# KiCad board RP2040-Breadstick.kicad_pcb (continued)
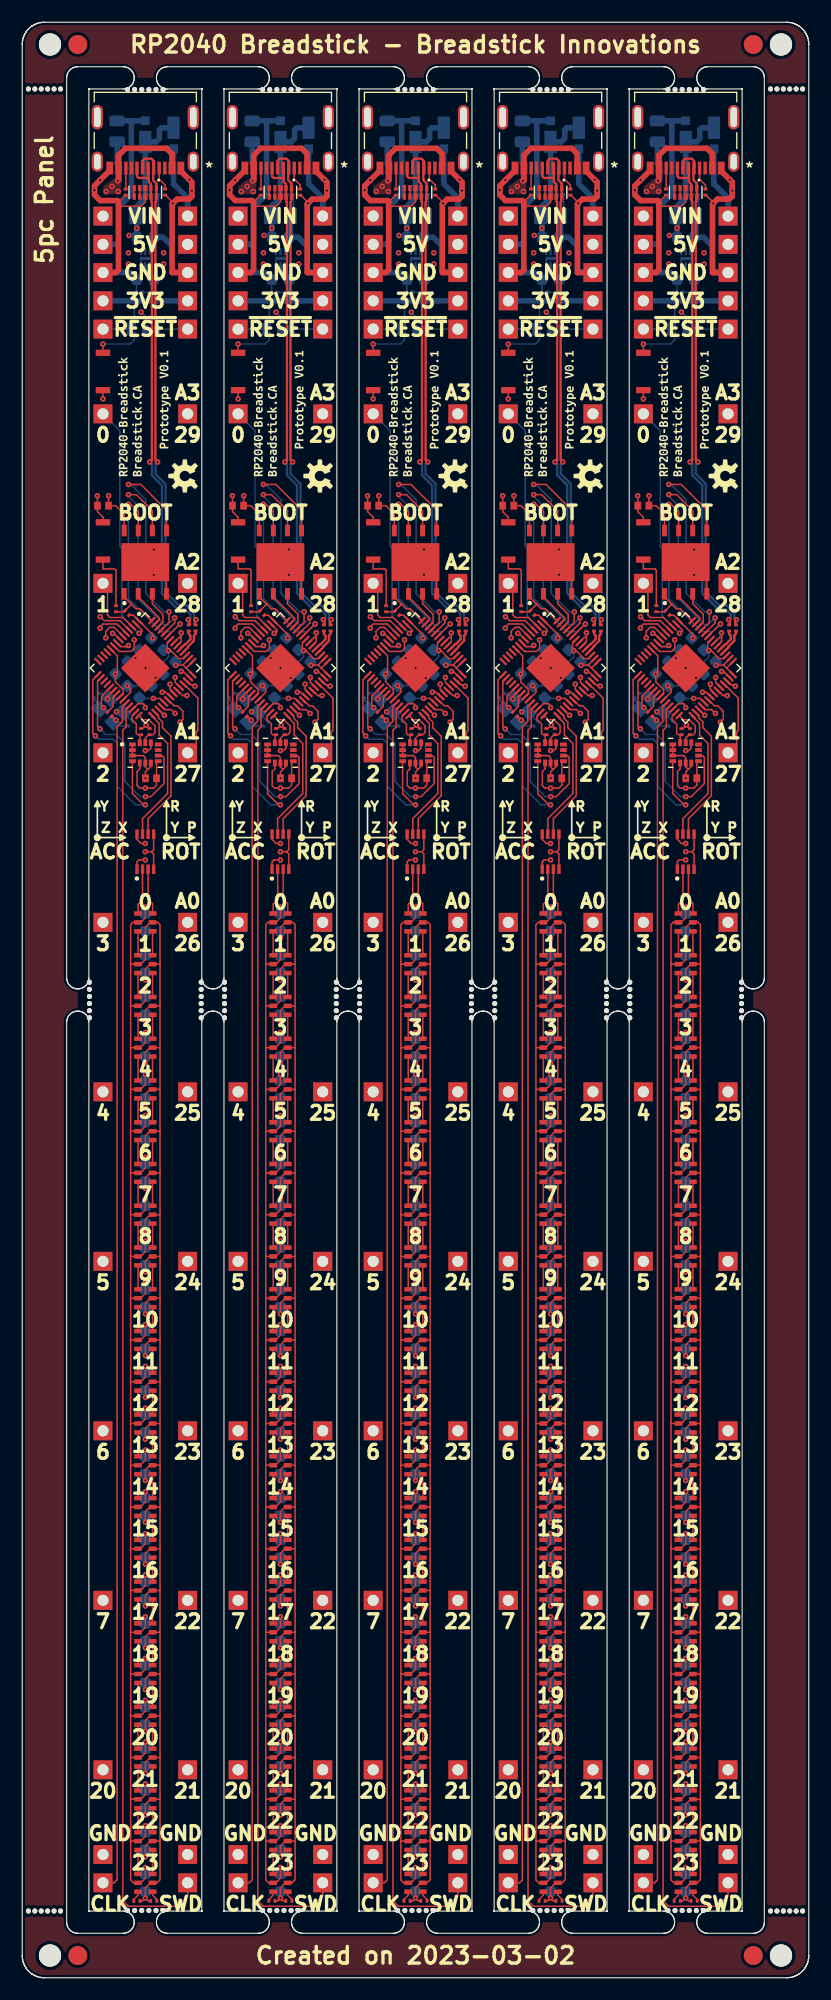
[diagram p0: board, top side]
## Routing (per net, layer and track width the routed paths; a pad name or vN(x,y) marks a point on that pad's centre or on a via; arc(x,y) is an arc through that point) (continued)
Board_2-GND: length 241.1
  L1_SIG.Cu w0.127: 35.96,101.25 36.15,101.44 IC301#2.5 ; 35.96,101.25 v1(35.4,101.25) ; 35.96,101.25 36.15,101.06 IC301#2.4 ; U202.3 U202.8 35.4,159.67 35.02,159.29 32.99,159.29 ; 36.72,12.3 36.71,12.29 LED323#2.2 35.85,12.29 35.4,11.84 v1(35.4,10.88) ; 36.72,12.3 36.72,8.82 36.44,8.54 LED324.2 35.85,8.54 35.4,8.08 v1(35.4,7.17) ; 36.72,12.3 36.72,16.06 ; v1(35.4,7.17) 35.15,6.91 R304#5.2 ; v1(35.4,7.17) 35.65,6.91 35.89,6.91 ; 36.72,38.61 36.72,34.8 ; 36.72,38.61 36.68,38.57 LED316#5.2 35.82,38.57 35.4,38.16 v1(35.4,37.19) ; 36.72,38.61 36.72,42.37 ; 36.72,34.8 36.72,31.1 ; 36.72,34.8 36.71,34.82 LED317#2.2 35.82,34.82 35.4,34.4 v1(35.4,33.43) ; 35.65,108.67 35.6,108.67 35.4,108.87 U401#4.6 35.4,109.71 35.22,109.89 U401#4.3 U401#4.2 U401#4.1 ; 35.65,108.67 35.41,108.42 v1(35.41,107.86) C401#4.2 ; 35.65,108.67 35.9,108.91 U401#4.7 ; 36.72,49.79 36.72,46.08 ; 36.72,49.79 36.72,53.6 ; 36.72,49.79 36.67,49.84 LED313#5.2 35.85,49.84 35.4,49.38 v1(35.4,48.42) ; 36.72,46.08 LED314#5.2 35.81,46.08 35.4,45.67 v1(35.4,44.71) ; 36.72,46.08 36.72,42.37 ; v1(37.88,159.55) 37.88,159.63 37.22,160.28 R207#5.2 ; 36.72,27.34 36.72,23.58 ; 36.72,27.34 36.72,31.1 ; 36.72,27.34 36.69,27.31 LED319#4.2 35.83,27.31 35.4,26.88 v1(35.4,25.91) ; 36.72,23.58 36.7,23.55 LED320.2 35.83,23.55 35.4,23.12 v1(35.4,22.15) ; 36.72,23.58 36.72,19.77 ; U203#4.4 37.3,127.29 v1(36.16,128.43) ; 36.72,16.06 36.71,16.04 LED322.2 35.84,16.04 35.4,15.6 v1(35.4,14.64) ; 36.72,16.06 36.72,19.77 ; v1(36.16,126.14) 36.16,126.52 U203#4.9 ; v1(35.4,89.72) 35.4,90.68 35.86,91.14 LED302#4.2 36.72,91.14 ; v1(35.4,78.49) 35.4,79.46 35.82,79.88 LED305#3.2 36.71,79.88 36.72,79.86 ; v1(35.4,59.7) 35.4,60.66 35.84,61.1 LED310#2.2 36.7,61.1 36.72,61.12 ; 36.72,53.6 36.71,53.59 LED312.2 35.85,53.59 35.4,53.14 v1(35.4,52.18) ; 36.72,53.6 36.72,57.36 ; 36.72,87.38 36.72,83.62 ; 36.72,87.38 36.72,91.14 ; 36.72,87.38 36.72,87.39 LED303#2.2 35.81,87.39 35.4,86.98 v1(35.4,86.01) ; 36.72,83.62 36.71,83.63 LED304.2 35.81,83.63 35.4,83.22 v1(35.4,82.25) ; 36.72,83.62 36.72,79.86 ; 36.72,91.14 36.72,94.7 36.52,94.9 LED301#4.2 35.85,94.9 35.4,94.44 v1(35.4,93.53) ; 36.72,76.1 36.7,76.12 LED306#2.2 35.82,76.12 35.4,75.7 v1(35.4,74.73) ; 36.72,76.1 36.72,79.86 ; 36.72,76.1 36.72,72.34 ; 36.72,64.83 36.72,61.12 ; 36.72,64.83 36.69,64.86 LED309#5.2 35.84,64.86 35.4,64.42 v1(35.4,63.45) ; 36.72,64.83 36.72,68.59 ; 36.72,61.12 36.72,57.36 ; 36.72,68.59 36.69,68.61 LED308#4.2 35.83,68.61 35.4,68.18 v1(35.4,67.21) ; 36.72,68.59 36.72,72.34 ; 36.72,19.77 36.69,19.8 LED321#2.2 35.84,19.8 35.4,19.36 v1(35.4,18.4) ; 36.72,31.1 36.69,31.06 LED318#5.2 35.83,31.06 35.4,30.64 v1(35.4,29.67) ; 36.72,42.37 36.68,42.33 LED315#2.2 35.81,42.33 35.4,41.92 v1(35.4,40.95) ; v1(31.64,114.2) 31.46,114.38 31.46,115.24 U201#2.19 ; v1(35.4,70.97) 35.4,71.94 35.83,72.37 LED307#2.2 36.7,72.37 36.72,72.34 ; 36.72,57.36 36.71,57.35 LED311#2.2 35.85,57.35 35.4,56.9 v1(35.4,55.94) ; R206#4.2 33.6,160.28 33,159.68 32.97,159.68 ; v1(31.08,133.25) 31.09,133.25 C216#3.2 31.09,131.82 31.59,131.32 SW201#2.1 ; SW202#2.1 v1(31.59,141.97)
  L1_SIG.Cu w0.5: J221#3.A1/B12 38.6,162.44 v1(39.36,161.68) 39.59,161.45 v1(39.59,160.69) 39.59,160.18 39.34,159.92 38.26,159.92 v1(37.88,159.55) 37.81,159.48 37.81,153.32 J506#5.1 ; J505.1 32.73,153.32 32.99,153.57 32.99,159.67 32.86,159.8 31.34,159.8 30.83,160.31 v1(30.83,160.74) 30.83,161.13 v1(31.33,161.63) 32.2,162.5 J221#3.B1/A12
  L3_SIG.Cu w0.5: J505.1 J506#5.1
  L8_SIG.Cu w0.127: v1(35.4,82.25) C306.2 ; v1(35.4,22.15) C322#5.2 ; v1(35.4,40.95) C317#5.2 ; U501#2.7 35.07,154.59 35,154.52 U501#2.3 ; v1(35.02,149.76) 35.41,149.38 C207#5.2 ; C309#4.2 35.4,71.58 v1(35.4,70.97) ; v1(35.4,86.01) C305#5.2 ; v1(35.4,18.4) C323#5.2 ; C201.2 30.81,114.88 31.29,114.41 ; v1(35.4,93.53) 35.4,94.13 ; C501#2.2 36.56,158.66 R501.1 ; v1(35.4,10.88) C325#5.2 ; v1(35.4,67.21) C310#2.2 ; v1(35.4,89.72) C304#4.2 ; v1(35.4,52.18) C314#5.2 ; v1(35.4,78.49) C307.2 ; C203.2 34.24,112.95 33.41,113.78 Y201#5.2 ; R502#5.1 34.62,152.68 C503#5.2 ; v1(35.4,74.73) 35.4,75.34 C308#2.2 ; v1(35.4,14.64) C324#2.2 ; v1(35.4,63.45) C311#5.2 ; v1(35.4,44.71) C316#3.2 ; v1(35.4,29.67) C320.2 ; v1(35.4,55.94) C313#3.2 ; v1(35.4,33.43) C319#3.2 ; v1(35.4,37.19) C318#3.2 ; v1(35.4,7.17) C326#3.2 ; v1(35.4,59.7) C312.2 ; v1(35.4,48.42) C315#5.2 ; v1(35.4,25.91) C321#3.2
  L8_SIG.Cu w0.203: C503#5.2 35,153.06 U501#2.3
  L8_SIG.Cu w0.5: C503#5.2 34.61,152.69 33.98,153.32 J505.1 ; C501#2.2 36.3,156.62 C502#3.2 37,156.5 37.81,155.68 37.81,153.62 38.12,153.32 J506#5.1
  vias: v1(32.8,113.83) v1(34.52,118.66) v1(35.41,117.77) v1(36.33,116.87)
Board_2-IMU_INT1: length 19.6
  L1_SIG.Cu w0.127: v1(35.4,105.47) 35.24,105.47 34.24,106.47 U401#4.4 ; v1(30.91,111.66) 30.67,111.9 30.67,116.71 U201#2.15
  L8_SIG.Cu w0.127: v1(30.91,111.66) 31.21,111.36 32.48,111.36 32.88,110.96 32.88,107.11 34.52,105.47 v1(35.4,105.47)
Board_2-IMU_INT2: length 18.5
  L1_SIG.Cu w0.127: U401#4.9 36.91,109.89 37.08,109.72 37.08,107.37 35.91,106.2 v1(35.41,106.2) ; U201#2.16 31.1,116.57 31.1,112.51 v1(31.31,112.3)
  L8_SIG.Cu w0.127: v1(35.41,106.2) 34.92,106.2 33.56,107.56 33.56,111.01 32.78,111.79 31.82,111.79 v1(31.31,112.3)
Board_2-IMU_SCL: length 3.9
  L1_SIG.Cu w0.127: U201#2.28 35.18,113.12 35.71,113.12 36.26,112.56 36.26,111.97 36.06,111.77 R210#3.1 35.71,111.77 35.4,111.46 U401#4.13
Board_2-IMU_SDA: length 3.4
  L1_SIG.Cu w0.127: U201#2.27 34.18,113.43 34.18,113.14 34.59,112.73 34.59,111.89 34.71,111.77 R209#3.1 34.91,111.66 34.91,111.06 U401#4.14
Board_2-LED_CLK: length 12.2
  L1_SIG.Cu w0.127: IC301#2.7 35.15,104.23 37.41,106.48 37.41,110.98 36.64,111.74 36.64,112.78 35.99,113.44 U201#2.29
Board_2-LED_DATA: length 12.4
  L1_SIG.Cu w0.127: IC301#2.6 35.65,104.22 37.71,106.28 37.71,111.64 36.95,112.4 36.95,112.91 36.59,113.26 36.59,113.45 U201#2.30
Board_2-Net-(C201-Pad1): length 2
  L1_SIG.Cu w0.127: U201#2.20 32,115.2 v1(32,114.99)
  L8_SIG.Cu w0.127: v1(32,114.99) 31.5,115.49 C201.1
Board_2-Net-(C203-Pad1): length 2.1
  L1_SIG.Cu w0.127: R201.1 32.71,113.08 v1(32.77,113.08)
  L8_SIG.Cu w0.127: C203.1 32.77,112.56 Y201#5.3
Board_2-Net-(J221-PadA5): length 2.1
  L1_SIG.Cu w0.127: R207#5.1 37.18,161.19 36.65,161.72 J221#3.A5
Board_2-Net-(J221-PadB5): length 1.9
  L1_SIG.Cu w0.127: J221#3.B5 33.65,160.86 R206#4.1
Board_2-Net-(LED301-Pad1): length 2.2
  L1_SIG.Cu w0.127: LED301#4.1 LED302#4.3
Board_2-Net-(LED301-Pad6): length 2.2
  L1_SIG.Cu w0.127: LED301#4.6 LED302#4.4
Board_2-Net-(LED302-Pad1): length 2.2
  L1_SIG.Cu w0.127: LED302#4.1 LED303#2.3
Board_2-Net-(LED302-Pad6): length 2.2
  L1_SIG.Cu w0.127: LED302#4.6 LED303#2.4
Board_2-Net-(LED303-Pad1): length 2.2
  L1_SIG.Cu w0.127: LED303#2.1 LED304.3
Board_2-Net-(LED303-Pad6): length 2.2
  L1_SIG.Cu w0.127: LED303#2.6 LED304.4
Board_2-Net-(LED304-Pad1): length 2.2
  L1_SIG.Cu w0.127: LED304.1 LED305#3.3
Board_2-Net-(LED304-Pad6): length 2.2
  L1_SIG.Cu w0.127: LED304.6 LED305#3.4
Board_2-Net-(LED305-Pad1): length 2.2
  L1_SIG.Cu w0.127: LED305#3.1 LED306#2.3
Board_2-Net-(LED305-Pad6): length 2.2
  L1_SIG.Cu w0.127: LED305#3.6 LED306#2.4
Board_2-Net-(LED306-Pad1): length 2.2
  L1_SIG.Cu w0.127: LED306#2.1 LED307#2.3
Board_2-Net-(LED306-Pad6): length 2.2
  L1_SIG.Cu w0.127: LED306#2.6 LED307#2.4
Board_2-Net-(LED307-Pad1): length 2.2
  L1_SIG.Cu w0.127: LED307#2.1 LED308#4.3
Board_2-Net-(LED307-Pad6): length 2.2
  L1_SIG.Cu w0.127: LED307#2.6 LED308#4.4
Board_2-Net-(LED308-Pad1): length 2.2
  L1_SIG.Cu w0.127: LED308#4.1 LED309#5.3
Board_2-Net-(LED308-Pad6): length 2.2
  L1_SIG.Cu w0.127: LED308#4.6 LED309#5.4
Board_2-Net-(LED309-Pad1): length 2.2
  L1_SIG.Cu w0.127: LED309#5.1 LED310#2.3
Board_2-Net-(LED309-Pad6): length 2.2
  L1_SIG.Cu w0.127: LED309#5.6 LED310#2.4
Board_2-Net-(LED310-Pad1): length 2.2
  L1_SIG.Cu w0.127: LED310#2.1 LED311#2.3
Board_2-Net-(LED310-Pad6): length 2.2
  L1_SIG.Cu w0.127: LED310#2.6 LED311#2.4
Board_2-Net-(LED311-Pad1): length 2.2
  L1_SIG.Cu w0.127: LED311#2.1 LED312.3
Board_2-Net-(LED311-Pad6): length 2.2
  L1_SIG.Cu w0.127: LED311#2.6 LED312.4
Board_2-Net-(LED312-Pad1): length 2.2
  L1_SIG.Cu w0.127: LED312.1 LED313#5.3
Board_2-Net-(LED312-Pad6): length 2.2
  L1_SIG.Cu w0.127: LED312.6 LED313#5.4
Board_2-Net-(LED313-Pad1): length 2.2
  L1_SIG.Cu w0.127: LED313#5.1 LED314#5.3
Board_2-Net-(LED313-Pad6): length 2.2
  L1_SIG.Cu w0.127: LED313#5.6 LED314#5.4
Board_2-Net-(LED314-Pad1): length 2.2
  L1_SIG.Cu w0.127: LED314#5.1 LED315#2.3
Board_2-Net-(LED314-Pad6): length 2.2
  L1_SIG.Cu w0.127: LED314#5.6 LED315#2.4
Board_2-Net-(LED315-Pad1): length 2.2
  L1_SIG.Cu w0.127: LED315#2.1 LED316#5.3
Board_2-Net-(LED315-Pad6): length 2.2
  L1_SIG.Cu w0.127: LED315#2.6 LED316#5.4
Board_2-Net-(LED316-Pad1): length 2.2
  L1_SIG.Cu w0.127: LED316#5.1 LED317#2.3
Board_2-Net-(LED316-Pad6): length 2.2
  L1_SIG.Cu w0.127: LED316#5.6 LED317#2.4
Board_2-Net-(LED317-Pad1): length 2.2
  L1_SIG.Cu w0.127: LED317#2.1 LED318#5.3
Board_2-Net-(LED317-Pad6): length 2.2
  L1_SIG.Cu w0.127: LED317#2.6 LED318#5.4
Board_2-Net-(LED318-Pad1): length 2.2
  L1_SIG.Cu w0.127: LED318#5.1 LED319#4.3
Board_2-Net-(LED318-Pad6): length 2.2
  L1_SIG.Cu w0.127: LED318#5.6 LED319#4.4
Board_2-Net-(LED319-Pad1): length 2.2
  L1_SIG.Cu w0.127: LED319#4.1 LED320.3
Board_2-Net-(LED319-Pad6): length 2.2
  L1_SIG.Cu w0.127: LED319#4.6 LED320.4
Board_2-Net-(LED320-Pad1): length 2.2
  L1_SIG.Cu w0.127: LED320.1 LED321#2.3
Board_2-Net-(LED320-Pad6): length 2.2
  L1_SIG.Cu w0.127: LED320.6 LED321#2.4
Board_2-Net-(LED321-Pad1): length 2.2
  L1_SIG.Cu w0.127: LED321#2.1 LED322.3
Board_2-Net-(LED321-Pad6): length 2.2
  L1_SIG.Cu w0.127: LED321#2.6 LED322.4
Board_2-Net-(LED322-Pad1): length 2.2
  L1_SIG.Cu w0.127: LED322.1 LED323#2.3
Board_2-Net-(LED322-Pad6): length 2.2
  L1_SIG.Cu w0.127: LED322.6 LED323#2.4
Board_2-Net-(LED323-Pad1): length 2.2
  L1_SIG.Cu w0.127: LED323#2.1 LED324.3
Board_2-Net-(LED323-Pad6): length 2.2
  L1_SIG.Cu w0.127: LED323#2.6 LED324.4
Board_2-Net-(LED324-Pad1): length 1
  L1_SIG.Cu w0.127: R305.1 36.44,7.05 36.05,7.43 LED324.1
Board_2-Net-(LED324-Pad6): length 1
  L1_SIG.Cu w0.127: LED324.6 34.75,7.43 34.36,7.05 34.36,6.91
Board_2-Net-(R201-Pad2): length 2
  L1_SIG.Cu w0.127: U201#2.21 32.5,115.15 32.5,114.32 R201.2
Board_2-Net-(R204-Pad1): length 5.2
  L1_SIG.Cu w0.127: R204#3.1 32.76,126.55 32.63,126.68 31.59,126.68 SW201#2.2
Board_2-Net-(R211-Pad1): length 4.3
  L1_SIG.Cu w0.127: SW202#2.2 v1(31.59,146.89)
  L8_SIG.Cu w0.127: R211#3.1 34.41,147.27 34.03,146.89 v1(31.59,146.89)
Board_2-Net-(U202-Pad4): length 0.8
  L1_SIG.Cu w0.127: U202.4 U202.7
Board_2-Net-(U202-Pad5): length 0.8
  L1_SIG.Cu w0.127: U202.5 U202.6
Board_2-SWCLK: length 107.5
  L1_SIG.Cu w0.127: U201#2.24 33.34,114.29 33.34,112.95 32.86,112.46 32.86,8.79 32.61,8.54 J223#5.1
Board_2-SWD: length 115.3
  L1_SIG.Cu w0.127: J224#3.1 39.21,7.37 38.27,6.43 33.85,6.43 33.37,6.91 33.37,112.17 33.66,112.46 33.66,114.04 U201#2.25
Board_2-VBUS: length 12.5
  L1_SIG.Cu w0.5: J221#3.A4/B9 37.8,164 37.3,164.5 33.62,164.5 33,163.87 J221#3.B4/A9 33,161.66 v1(32.91,161.58)
  L8_SIG.Cu w0.5: v1(32.91,161.58) 32.99,161.65 32.99,163 32.86,163.12 F501#4.1
  vias: v1(31.87,160.61) v1(32.4,161.07) v1(32.96,160.61)
Board_2-VHI: length 174.3
  L1_SIG.Cu w0.127: 34.08,23.53 34.11,23.55 LED320.5 34.97,23.55 35.4,23.98 v1(35.4,24.95) ; 34.08,23.53 34.08,27.34 ; 34.08,23.53 34.08,19.77 ; v1(35.4,39.93) 35.4,39.02 34.95,38.57 LED316#5.5 34.12,38.57 34.08,38.61 ; v1(35.4,84.99) 35.4,84.08 34.95,83.63 LED304.5 34.09,83.63 34.08,83.62 ; 34.08,79.86 34.09,79.88 LED305#3.5 34.96,79.88 35.4,80.32 v1(35.4,81.23) ; 34.08,79.86 34.08,83.62 ; 34.08,79.86 34.08,76.1 ; 34.08,31.1 34.08,27.34 ; 34.08,31.1 34.11,31.06 LED318#5.5 34.96,31.06 35.4,31.5 v1(35.4,32.47) ; 34.08,31.1 34.08,34.8 ; 34.08,27.34 34.11,27.31 LED319#4.5 34.97,27.31 35.4,27.74 v1(35.4,28.71) ; v1(35.4,43.69) 35.4,42.78 34.95,42.33 LED315#2.5 34.12,42.33 34.08,42.37 ; 34.08,19.77 34.08,16.06 ; 34.08,19.77 34.11,19.8 LED321#2.5 34.98,19.8 35.4,20.22 v1(35.4,21.19) ; 34.08,16.06 34.09,16.04 LED322.5 34.98,16.04 35.4,16.46 v1(35.4,17.43) ; 34.08,16.06 34.08,12.3 ; 34.08,38.61 34.08,42.37 ; 34.08,38.61 34.08,34.8 ; 34.08,83.62 34.08,87.38 ; v1(35.4,62.49) 35.4,61.52 34.98,61.1 LED310#2.5 34.11,61.1 34.08,61.07 ; 34.08,91.14 34.08,87.38 ; 34.08,91.14 34.08,94.7 34.28,94.9 LED301#4.5 34.99,94.9 35.4,95.31 v1(35.4,96.27) ; 34.08,91.14 LED302#4.5 34.99,91.14 35.4,91.55 v1(35.4,92.51) ; 34.08,87.38 34.08,87.39 LED303#2.5 34.95,87.39 35.4,87.84 v1(35.4,88.75) ; 34.08,61.07 34.08,57.36 ; 34.08,61.07 34.08,64.88 ; 34.08,57.36 34.08,53.55 ; 34.08,57.36 34.09,57.35 LED311#2.5 34.98,57.35 35.4,57.77 v1(35.4,58.73) ; 34.08,68.64 34.1,68.61 LED308#4.5 34.97,68.61 35.4,69.04 v1(35.4,70.01) ; 34.08,68.64 34.08,72.34 ; 34.08,68.64 34.08,64.88 ; 34.08,12.3 34.08,8.79 34.34,8.54 LED324.5 34.99,8.54 35.4,8.95 v1(35.4,9.91) ; 34.08,12.3 34.09,12.29 LED323#2.5 34.98,12.29 35.4,12.71 v1(35.4,13.67) ; v1(35.4,100.51) 34.82,100.51 34.65,100.35 IC301#2.1 ; 34.08,53.55 34.12,53.59 LED312.5 34.99,53.59 35.4,54.01 v1(35.4,54.97) ; 34.08,53.55 34.08,49.84 ; 34.08,42.37 34.08,46.08 ; v1(35.4,66.25) 35.4,65.28 34.97,64.86 LED309#5.5 34.1,64.86 34.08,64.88 ; 34.08,46.08 LED314#5.5 34.94,46.08 35.4,46.54 v1(35.4,47.45) ; 34.08,46.08 34.08,49.84 ; v1(35.4,73.77) 35.4,72.8 34.96,72.37 LED307#2.5 34.1,72.37 34.08,72.34 ; 34.08,72.34 34.08,76.1 ; v1(35.4,77.53) 35.4,76.56 34.96,76.12 LED306#2.5 34.1,76.12 34.08,76.1 ; 34.08,49.84 34.08,49.84 LED313#5.5 34.99,49.84 35.4,50.25 v1(35.4,51.21) ; 34.08,34.8 34.09,34.82 LED317#2.5 34.96,34.82 35.4,35.26 v1(35.4,36.23)
  L8_SIG.Cu w0.127: v1(35.4,28.71) C321#3.1 ; v1(35.4,77.53) 35.4,76.92 C308#2.1 ; v1(35.4,88.75) C305#5.1 ; v1(35.4,54.97) C314#5.1 ; v1(35.4,9.91) C326#3.1 ; v1(35.4,70.01) C310#2.1 ; C309#4.1 35.4,73.16 v1(35.4,73.77) ; v1(35.4,32.47) C320.1 ; v1(35.4,62.49) C312.1 ; v1(35.4,58.73) C313#3.1 ; v1(35.4,96.27) C303#4.1 ; v1(35.4,84.99) C306.1 ; v1(35.4,17.43) C324#2.1 ; v1(35.4,21.19) C323#5.1 ; v1(35.4,51.21) C315#5.1 ; R501.2 35.53,160.31 35.4,160.43 ; v1(35.4,13.67) C325#5.1 ; v1(35.4,66.25) C311#5.1 ; v1(35.4,36.23) C319#3.1 ; v1(35.4,47.45) C316#3.1 ; v1(35.4,81.23) C307.1 ; v1(35.4,39.93) C318#3.1 ; v1(35.4,92.51) C304#4.1 ; v1(35.4,24.95) C322#5.1 ; v1(35.4,43.69) C317#5.1
  L8_SIG.Cu w0.5: D501#2.1 36.86,166.34 36.67,166.15 36.67,165.39 36.36,165.07 D502#4.1 35.4,160.05 34.5,159.15 C501#2.1 34.62,158.28 v1(34.62,157.31) C502#3.1
  vias: v1(33.93,156.66) v1(33.88,155.1) v1(33.88,154.08) v1(37.05,155.1) v1(37.05,154.08)
Board_2-VIN: length 14.2
  L3_SIG.Cu w0.5: J502#5.1 J501#5.1
  L8_SIG.Cu w0.5: J501#5.1 39.21,160.03 37.94,161.3 D501#2.2
Board_3-3V3_LDO: length 53.3
  L1_SIG.Cu w0.127: U401#3.8 48.57,109.24 C401.1 48.57,107.24 48.3,106.97 v1(47.56,106.97) 47.05,106.97 46.82,107.19 46.82,108.46 47.06,108.7 U401#3.5 ; 50.79,120.53 50.61,120.53 U201.49 ; 50.79,120.53 50.79,120.14 U201.48 ; 50.79,120.53 v1(50.79,120.94) ; U401#3.12 48.06,110.56 47.84,110.34 v1(47.56,110.34) ; R205#2.1 46.48,122.52 U201.1 48.22,120.78 v1(48.22,120.45) ; 51.24,117.76 50.98,118.01 50.93,118.01 ; 51.24,117.76 51.24,117.76 U201.43 ; 51.24,117.76 U201.42 ; U203#3.8 45.66,131.6 44.89,132.37 C216#2.1 44.25,133.25 v1(44.26,133.25) ; U201.10 45.05,118.86 45.05,117.4 v1(44.87,117.23) 44.87,116.52 45.57,115.82 45.57,115.49 U201.22 ; R210#2.2 47.94,112.33 v1(47.63,112.64) 47.31,112.32 R209#4.2 ; v1(47.56,101.99) 47.18,101.99 46.81,102.36 IC301.8 ; v1(48.28,115.03) 48.88,115.03 U201.33 ; 50.93,118.01 U201.44 ; 50.93,118.01 v1(50.3,118.01)
  L3_SIG.Cu w0.5: J508#4.1 J507.1
  L8_SIG.Cu w0.127: v1(44.87,117.23) 44.88,117.24 C210.1 ; v1(48.28,115.03) 47.08,115.03 C206#5.1 ; 46.54,150.78 46.56,150.76 R208#4.1 ; C211#3.1 50.3,118.28 v1(50.3,118.01) ; R502#2.2 48.32,151.54
  L8_SIG.Cu w0.15: 47.96,153.33 48.33,152.95 C503.1
  L8_SIG.Cu w0.203: U501.2 47.56,153.47 47.71,153.33 47.96,153.33 U501.1
  L8_SIG.Cu w0.5: 48.22,150.78 J507.1 ; 48.22,150.78 J508#4.1 ; 48.22,150.78 48.35,150.91 48.35,152.67
Board_3-+1V1: length 10.2
  L1_SIG.Cu w0.127: U201.23 46.24,115.59 46.24,115.88 v1(45.94,116.18) ; U201.45 50.96,118.61 50.57,118.61 49.85,119.33 v1(49.64,119.33) 49.54,119.44 49.54,120.02 U201.50
  L8_SIG.Cu w0.127: v1(49.64,119.33) 49.64,118.76 47.06,116.18 v1(45.94,116.18)
Board_3-/Addressable RGB LEDs/CLK: length 4.1
  L1_SIG.Cu w0.127: IC301.2 47.31,96.94 46.91,96.54 LED301.4
Board_3-/Addressable RGB LEDs/DATA: length 4.1
  L1_SIG.Cu w0.127: IC301.3 47.81,96.99 48.21,96.59 LED301.3
Board_3-/RP2040/ADC0: length 26.2
  L1_SIG.Cu w0.127: U201.38 50.25,116.48 v1(50.25,116.92)
  L3_SIG.Cu w0.127: J220#2.1 51.37,107.85 50.25,108.97 50.25,111.27 51.84,111.27 52.28,111.71 52.28,115.02 50.38,116.92 v1(50.25,116.92)
Board_3-/RP2040/ADC1: length 7.1
  L1_SIG.Cu w0.127: J219.1 52.15,110.92 52.15,112.01 52.28,112.15 52.28,115.07 51.03,116.32 U201.39
Board_3-/RP2040/ADC2: length 12.9
  L1_SIG.Cu w0.127: U201.40 51.32,116.6 51.67,116.25 51.78,116.25 51.9,116.13 v1(52.03,116.13)
  L3_SIG.Cu w0.127: v1(52.03,116.13) 52.03,118.91 49.16,121.78 49.16,124.11 50.43,125.38 J218#3.1
Board_3-/RP2040/ADC3: length 26.9
  L1_SIG.Cu w0.127: U201.41 50.98,117.46 v1(50.79,117.46)
  L3_SIG.Cu w0.127: v1(50.79,117.46) 51.14,117.81 51.14,118.62 48.14,121.62 48.14,124.45 49.67,125.98 49.67,128.07 51.37,129.77 J217.1
Board_3-/RP2040/D0: length 22.3
  L1_SIG.Cu w0.127: v1(47,120.88) 47.08,120.88 47.26,121.06 47.26,121.18 U201.2
  L8_SIG.Cu w0.127: v1(47,120.88) 45.45,122.43 45.45,128.53 45.27,128.71 45.27,139.1 J205#5.1
Board_3-/RP2040/D1: length 5.7
  L1_SIG.Cu w0.127: J206#4.1 44.16,124.97 44.16,122.54 44.38,122.31 45.56,122.31 U201.3
Board_3-/RP2040/D2: length 16.5
  L1_SIG.Cu w0.127: U201.4 45.27,122.03 43.85,122.03 v1(43.5,122.38)
  L3_SIG.Cu w0.127: v1(43.5,122.38) 42.86,121.74 42.86,113.26 43.19,112.93 43.62,112.93 44.02,112.53 44.02,111.43 43.75,111.16 J207#5.1
Board_3-/RP2040/D3: length 30.6
  L1_SIG.Cu w0.127: v1(43.49,121.35) 43.49,121.46 43.75,121.72 45.01,121.72 U201.5
  L3_SIG.Cu w0.127: v1(43.49,121.35) 43.47,121.33 43.47,114.94 43.29,114.76 43.29,114.03 44.88,112.44 44.88,108.93 43.75,107.8 J208#5.1
Board_3-/RP2040/D4: length 44.8
  L1_SIG.Cu w0.127: U201.6 44.75,121.42 44.36,121.42 44,121.06 v1(44,120.48)
  L3_SIG.Cu w0.127: J209.1 43.75,92.33 44.88,93.46 44.88,108.2 45.34,108.66 45.34,112.5 45.5,112.66 45.5,114.39 44,115.89 v1(44,120.48)
Board_3-/RP2040/D5: length 59
  L1_SIG.Cu w0.127: v1(44.61,120.88) 44.72,120.88 U201.7
  L3_SIG.Cu w0.127: v1(44.61,120.88) 44.61,117.89 44.36,117.63 44.36,116.98 45.87,115.47 45.87,112.25 45.8,112.18 45.8,108.31 45.47,107.98 45.47,92.85 44.89,92.27 44.89,78.22 43.75,77.08 J210#4.1
Board_3-/RP2040/D6: length 73.9
  L1_SIG.Cu w0.127: v1(46.04,119.79) 45.93,119.69 45.35,119.69 U201.8
  L3_SIG.Cu w0.127: v1(46.04,119.79) 45.68,119.79 45.4,119.51 45.4,117.72 46.46,116.66 46.46,114.03 46.27,113.84 46.27,112.07 46.21,112.01 46.21,108.08 46.06,107.93 46.06,92.21 45.54,91.69 45.54,63.31 43.75,61.52 J211#5.1
Board_3-/RP2040/D7: length 91.4
  L1_SIG.Cu w0.127: v1(46.57,120.3) 46.57,119.54 46.29,119.26 45.21,119.26 U201.9
  L3_SIG.Cu w0.127: v1(46.57,120.3) 46.57,119.33 46.17,118.93 46.17,118.17 47.23,117.11 47.23,114.79 46.89,114.45 46.89,113.42 46.66,113.19 46.66,107.8 46.54,107.68 46.54,91.44 46.3,91.2 46.3,62.09 45.08,60.87 45.08,44.1 43.75,42.77 J212#4.1
Board_3-/RP2040/D20: length 98.8
  L1_SIG.Cu w0.127: v1(49.27,113.52) 49.25,113.52 U201.31
  L3_SIG.Cu w0.127: v1(49.27,113.52) 47.75,113.52 47.07,112.84 47.07,61.15 46.33,60.41 46.33,32.49 43.75,29.91 J204#3.1
Board_3-/RP2040/D21: length 99.2
  L1_SIG.Cu w0.127: U201.32 49.31,114.03 49.9,114.03 50.23,113.69 v1(50.24,113.69)
  L3_SIG.Cu w0.127: v1(50.24,113.69) 50.04,113.49 50.04,113.17 49.87,113 49.07,113 48.07,112 48.07,61.15 48.82,60.4 48.82,32.39 51.37,29.84 J203#3.1
Board_3-/RP2040/D22: length 84.5
  L1_SIG.Cu w0.127: v1(50.68,112.89) 50.94,113.15 50.94,113.88 50.45,114.37 50.15,114.37 49.61,114.91 U201.34
  L3_SIG.Cu w0.127: v1(50.68,112.89) 50.4,112.61 49.33,112.61 48.54,111.82 48.54,107.82 48.62,107.74 48.62,91.48 48.85,91.25 48.85,62.28 50.07,61.06 50.07,44.18 51.31,42.94 51.31,34 J213#3.1
Board_3-/RP2040/D23: length 71.1
  L1_SIG.Cu w0.127: U201.35 49.79,115.19 49.39,115.59 v1(49.08,115.59)
  L3_SIG.Cu w0.127: v1(49.08,115.59) 49.4,115.59 51.2,113.79 51.2,112.48 50.96,112.24 49.54,112.24 49,111.7 49,108.08 49.14,107.94 49.14,92.01 49.59,91.56 49.59,63.31 51.37,61.53 J214#2.1
Board_3-/RP2040/D24: length 56.2
  L1_SIG.Cu w0.127: U201.36 50.13,115.52 49.78,115.87 v1(49.78,116.31)
  L3_SIG.Cu w0.127: v1(49.78,116.31) 49.78,115.87 51.57,114.08 51.57,112.19 51.29,111.92 49.74,111.92 49.42,111.6 49.42,108.31 49.68,108.05 49.68,92.71 50.24,92.15 50.24,78.12 51.37,76.99 J215#4.1
Board_3-/RP2040/D25: length 39.4
  L1_SIG.Cu w0.127: v1(51.3,115.29) 50.93,115.29 50.46,115.76 U201.37
  L3_SIG.Cu w0.127: v1(51.3,115.29) 51.92,114.67 51.92,111.95 51.6,111.63 50.02,111.63 49.83,111.44 49.83,108.69 50.25,108.27 50.25,93.35 51.37,92.23 J202.1
Board_3-/RP2040/MCU_QSPI_CSN: length 5.4
  L1_SIG.Cu w0.127: 46.28,123.54 46.72,123.09 47.08,123.09 U201.56 ; 46.28,123.54 46.28,123.47 R205#2.2 45.63,122.82 R204#2.2 ; 46.28,123.54 45.66,124.16 U203#3.1
Board_3-/RP2040/MCU_QSPI_SCLK: length 20.6
  L1_SIG.Cu w0.127: v1(50.2,122.28) 50.2,121.82 U201.52 ; U203#3.6 48.19,131.91 46.75,133.36 v1(46.04,133.36)
  L8_SIG.Cu w0.127: v1(50.2,122.28) 49.54,121.62 49.29,121.62 46.9,124.01 46.9,132.34 46.04,133.2 v1(46.04,133.36)
Board_3-/RP2040/MCU_QSPI_SD0: length 21.5
  L1_SIG.Cu w0.127: U203#3.5 49.47,131.96 47.15,134.27 v1(46.04,134.27) ; v1(49.69,122.81) 49.69,121.87 U201.53
  L8_SIG.Cu w0.127: v1(46.04,134.27) 46.24,134.27 47.61,132.9 47.61,124.47 49.26,122.81 v1(49.69,122.81)
Board_3-/RP2040/MCU_QSPI_SD1: length 3.6
  L1_SIG.Cu w0.127: U201.55 48.83,122.14 48.83,122.26 46.92,124.16 U203#3.2
Board_3-/RP2040/MCU_QSPI_SD2: length 3.5
  L1_SIG.Cu w0.127: U203#3.3 48.19,123.55 49.14,122.6 49.14,121.89 U201.54
Board_3-/RP2040/MCU_QSPI_SD3: length 19.1
  L1_SIG.Cu w0.127: v1(46.04,132.49) 46.24,132.49 46.92,131.81 U203#3.7 ; v1(50.68,121.72) 50.67,121.72 U201.51
  L8_SIG.Cu w0.127: v1(50.68,121.72) 50,121.04 49.01,121.04 46.04,124.01 v1(46.04,132.49)
Board_3-/RP2040/MCU_USB_D+: length 2.1
  L1_SIG.Cu w0.2: U201.47 51.12,119.91 51.18,119.91
  L1_SIG.Cu w0.203: 51.18,119.91 51.62,120.35 51.62,120.68 51.47,120.83 R203#2.1
Board_3-/RP2040/MCU_USB_D-: length 2.3
  L1_SIG.Cu w0.2: U201.46 51.41,119.63 51.41,119.68
  L1_SIG.Cu w0.203: 51.41,119.68 51.94,120.21 51.94,120.68 52.08,120.83 R202#5.1
Board_3-/RP2040/USB_D+: length 45.2
  L1_SIG.Cu w0.203: 47.86,161.77 47.8,161.83 46.96,161.83 46.81,161.98 J221#4.B6 ; 47.86,161.77 47.86,162.67 J221#4.A6 ; 47.86,161.77 47.86,161.49 48.06,161.29 U202#3.2 U202#3.9 48.1,160.11 48.1,159.7 48.15,159.64 48.15,136.48 v1(47.96,136.29) ; R203#2.2 51.54,121.71 51.54,122 v1(51.43,122.12)
  L8_SIG.Cu w0.203: v1(51.43,122.12) 51.62,122.31 51.62,122.6 51.16,123.05 50.47,123.05 49.05,124.47 49.05,134.19 48.15,135.09 48.15,136.1 v1(47.96,136.29)
Board_3-/RP2040/USB_D-: length 45.9
  L1_SIG.Cu w0.203: v1(52.13,122.12) 52.01,122 52.01,121.71 R202#5.2 ; J221#4.A7 47.31,163.38 47.49,163.56 48.11,163.56 48.31,163.36 J221#4.B7 48.26,162.67 48.26,161.63 48.56,161.33 U202#3.1 U202#3.10 48.52,160.11 48.52,159.7 48.47,159.64 48.47,136.48 v1(48.66,136.29)
  L8_SIG.Cu w0.203: v1(52.13,122.12) 51.94,122.31 51.94,122.73 51.3,123.37 50.61,123.37 49.37,124.61 49.37,134.33 48.47,135.23 48.47,136.1 v1(48.66,136.29)
Board_3-/RP2040/~{RESET}: length 49.9
  L1_SIG.Cu w0.127: U201.26 46.91,114.56 47.38,114.56 47.56,114.38 v1(47.56,114.2)
  L3_SIG.Cu w0.127: 46.92,148.24 46.92,121.77 47.61,121.09 47.61,118.52 48.19,117.94 48.19,117.49 47.79,117.09 47.79,114.43 v1(47.56,114.2)
  L3_SIG.Cu w0.5: J201.1 J222#5.1
  L8_SIG.Cu w0.127: C207#3.1 J201.1 ; 46.02,148.22 45.99,148.24 J222#5.1 ; 46.02,148.22 46.02,147.86 ; 46.02,148.22 46.02,148.62
Board_3-GND: length 241.1
  L1_SIG.Cu w0.127: 48.12,101.25 48.31,101.44 IC301.5 ; 48.12,101.25 v1(47.56,101.25) ; 48.12,101.25 48.31,101.06 IC301.4 ; U202#3.3 U202#3.8 47.56,159.67 47.18,159.29 45.15,159.29 ; 48.88,12.3 48.87,12.29 LED323#3.2 48.01,12.29 47.56,11.84 v1(47.56,10.88) ; 48.88,12.3 48.88,8.82 48.6,8.54 LED324#2.2 48.01,8.54 47.56,8.08 v1(47.56,7.17) ; 48.88,12.3 48.88,16.06 ; v1(47.56,7.17) 47.31,6.91 47.07,6.91 ; v1(47.56,7.17) 47.81,6.91 R305#4.2 ; 48.88,38.61 48.88,34.8 ; 48.88,38.61 48.84,38.57 LED316#4.2 47.98,38.57 47.56,38.16 v1(47.56,37.19) ; 48.88,38.61 48.88,42.37 ; 48.88,34.8 48.88,31.1 ; 48.88,34.8 48.87,34.82 LED317.2 47.98,34.82 47.56,34.4 v1(47.56,33.43) ; 47.81,108.67 47.76,108.67 47.56,108.87 U401#3.6 47.56,109.71 47.38,109.89 U401#3.3 U401#3.2 U401#3.1 ; 47.81,108.67 47.57,108.42 v1(47.57,107.86) C401.2 ; 47.81,108.67 48.06,108.91 U401#3.7 ; 48.88,49.79 48.88,46.08 ; 48.88,49.79 48.88,53.6 ; 48.88,49.79 48.83,49.84 LED313#2.2 48.01,49.84 47.56,49.38 v1(47.56,48.42) ; 48.88,46.08 LED314#2.2 47.97,46.08 47.56,45.67 v1(47.56,44.71) ; 48.88,46.08 48.88,42.37 ; v1(50.04,159.55) 50.04,159.63 49.38,160.28 R207#2.2 ; 48.88,27.34 48.88,23.58 ; 48.88,27.34 48.88,31.1 ; 48.88,27.34 48.85,27.31 LED319#2.2 47.99,27.31 47.56,26.88 v1(47.56,25.91) ; 48.88,23.58 48.86,23.55 LED320#4.2 47.99,23.55 47.56,23.12 v1(47.56,22.15) ; 48.88,23.58 48.88,19.77 ; U203#3.4 49.47,127.29 v1(48.32,128.43) ; 48.88,16.06 48.87,16.04 LED322#2.2 48,16.04 47.56,15.6 v1(47.56,14.64) ; 48.88,16.06 48.88,19.77 ; v1(48.32,126.14) 48.32,126.52 U203#3.9 ; v1(47.56,89.72) 47.56,90.68 48.02,91.14 LED302#2.2 48.88,91.14 ; v1(47.56,78.49) 47.56,79.46 47.98,79.88 LED305#2.2 48.87,79.88 48.88,79.86 ; v1(47.56,59.7) 47.56,60.66 48,61.1 LED310.2 48.86,61.1 48.88,61.12 ; 48.88,53.6 48.87,53.59 LED312#4.2 48.01,53.59 47.56,53.14 v1(47.56,52.18) ; 48.88,53.6 48.88,57.36 ; 48.88,87.38 48.88,83.62 ; 48.88,87.38 48.88,91.14 ; 48.88,87.38 48.88,87.39 LED303#5.2 47.97,87.39 47.56,86.98 v1(47.56,86.01) ; 48.88,83.62 48.87,83.63 LED304#2.2 47.97,83.63 47.56,83.22 v1(47.56,82.25) ; 48.88,83.62 48.88,79.86 ; 48.88,91.14 48.88,94.7 48.68,94.9 LED301.2 48.01,94.9 47.56,94.44 v1(47.56,93.53) ; 48.88,76.1 48.86,76.12 LED306#4.2 47.98,76.12 47.56,75.7 v1(47.56,74.73) ; 48.88,76.1 48.88,79.86 ; 48.88,76.1 48.88,72.34 ; 48.88,64.83 48.88,61.12 ; 48.88,64.83 48.85,64.86 LED309.2 48,64.86 47.56,64.42 v1(47.56,63.45) ; 48.88,64.83 48.88,68.59 ; 48.88,61.12 48.88,57.36 ; 48.88,68.59 48.85,68.61 LED308.2 47.99,68.61 47.56,68.18 v1(47.56,67.21) ; 48.88,68.59 48.88,72.34 ; 48.88,19.77 48.85,19.8 LED321#5.2 48,19.8 47.56,19.36 v1(47.56,18.4) ; 48.88,31.1 48.85,31.06 LED318#4.2 47.99,31.06 47.56,30.64 v1(47.56,29.67) ; 48.88,42.37 48.84,42.33 LED315#4.2 47.97,42.33 47.56,41.92 v1(47.56,40.95) ; v1(43.8,114.2) 43.62,114.38 43.62,115.24 U201.19 ; v1(47.56,70.97) 47.56,71.94 47.99,72.37 LED307#3.2 48.86,72.37 48.88,72.34 ; 48.88,57.36 48.87,57.35 LED311#3.2 48.01,57.35 47.56,56.9 v1(47.56,55.94) ; R206#2.2 45.76,160.28 45.16,159.68 45.13,159.68 ; v1(43.24,133.25) 43.25,133.25 C216#2.2 43.25,131.82 43.75,131.32 SW201#4.1 ; SW202#5.1 v1(43.75,141.97)